# KiCad board sbc.kicad_pcb (continued)
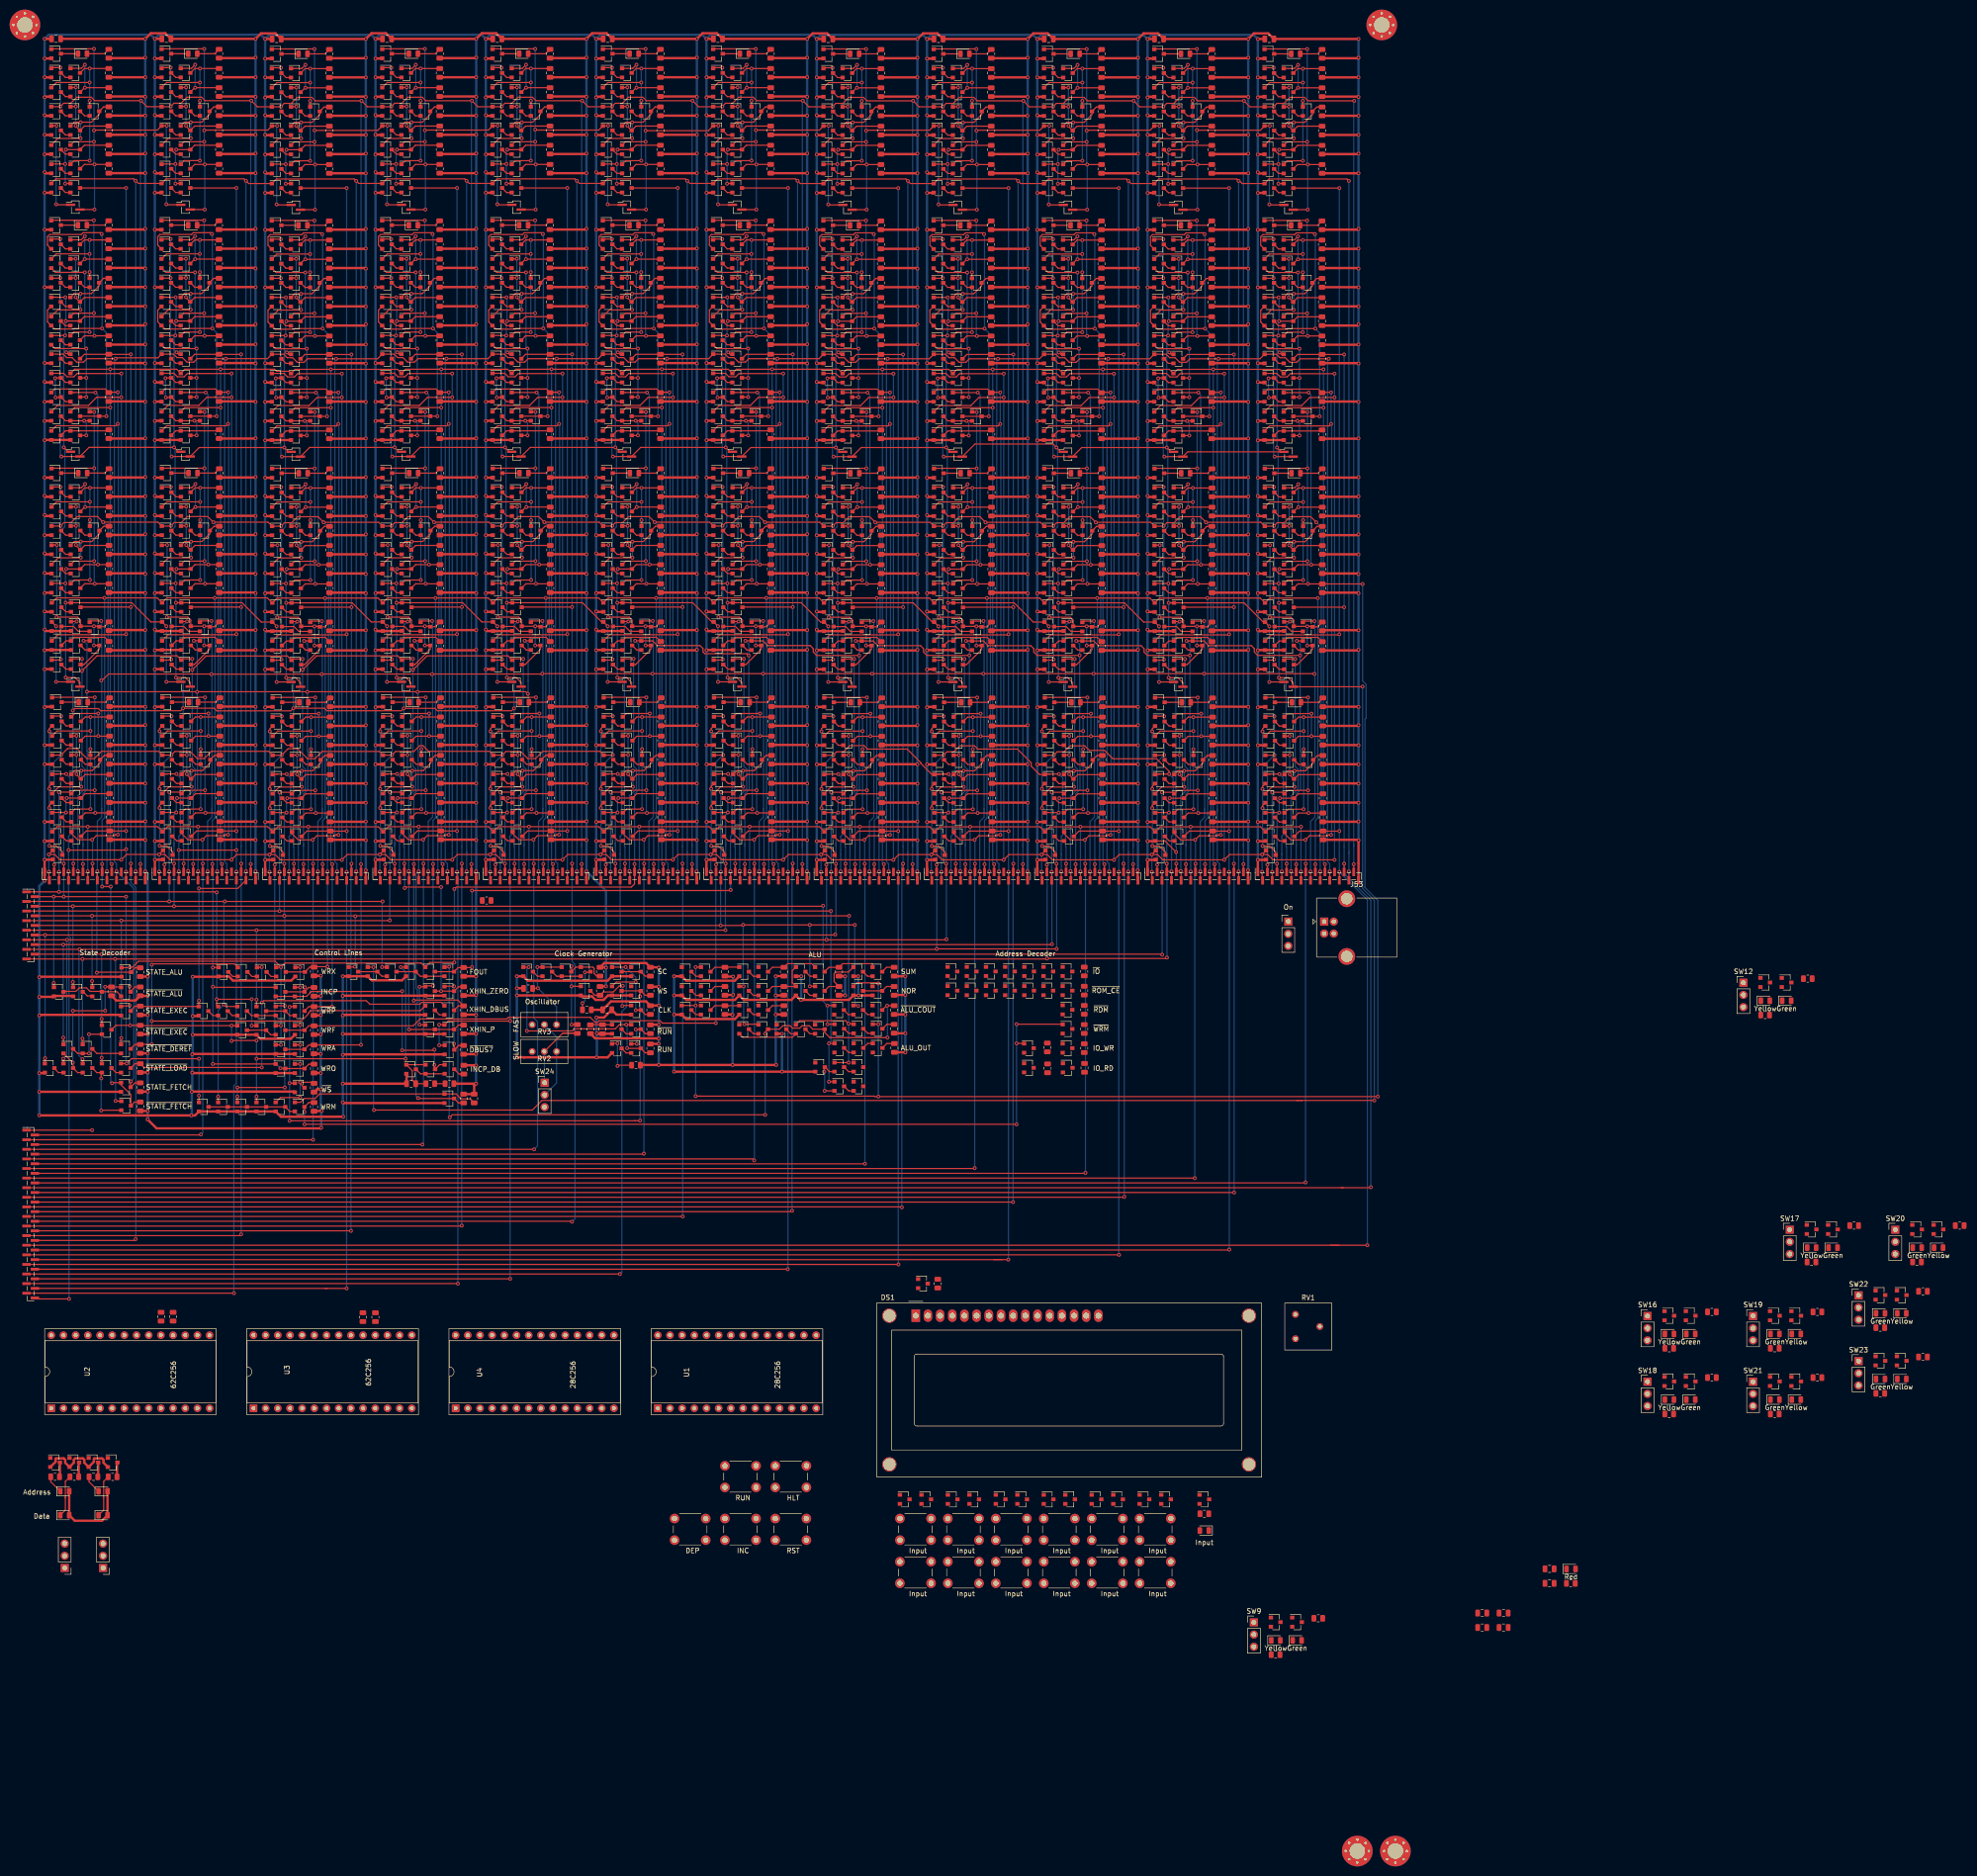
[diagram p0: board, top side]
## Routing (per net, layer and track width the routed paths; a pad name or vN(x,y) marks a point on that pad's centre or on a via; arc(x,y) is an arc through that point) (continued)
VCC: length 5932
  Top w0.5: R40.1 47.99,373.94 v1(48.1,374.05) ; v1(48.1,369.95) 48.09,369.94 R42.1 ; v1(48.1,365.85) 48.01,365.94 R39.1 ; v1(48.1,361.95) 48.09,361.94 R43.1 ; R44.1 48.09,357.94 v1(48.1,357.95) ; R41.1 47.99,353.94 v1(48.1,354.05) ; R38.1 48.09,349.94 v1(48.1,349.95) ; v1(48.1,210.85) 48.01,210.94 R37.1 ; R63.1 48.05,214.7 v1(48.1,214.75) ; v1(48.1,218.65) 48.05,218.7 R66.1 ; v1(48.1,222.65) 48.05,222.7 R69.1 ; v1(48.1,226.65) 48.05,226.7 R68.1 ; v1(48.1,230.65) 48.05,230.7 R64.1 ; v1(48.1,234.85) 47.95,234.7 R67.1 ; v1(48.1,238.65) 48.05,238.7 R65.1 ; 47.99,254.54 v1(48.1,254.65) 40.66,254.65 R45.1 ; v1(48.1,250.55) 47.99,250.44 R46.1 ; v1(48.1,262.35) 47.97,262.48 R47.1 ; v1(48.1,266.35) 47.97,266.48 R50.1 ; R53.1 48.07,270.48 v1(48.1,270.45) ; v1(48.1,274.65) 47.93,274.48 R52.1 ; v1(48.1,278.45) 48.07,278.48 R48.1 ; v1(48.1,282.55) 48.03,282.48 R51.1 ; v1(48.1,286.55) 48.03,286.48 R49.1 ; v1(48.1,294.65) 48.04,294.59 R55.1 ; R54.1 48.01,302.34 v1(48.1,302.25) ; v1(48.1,310.25) 48.01,310.34 R36.1 ; v1(48.1,314.25) 48.03,314.18 R56.1 ; v1(48.1,322.15) 48.07,322.18 R62.1 ; v1(48.1,318.45) 47.83,318.18 R59.1 ; R61.1 48.07,326.18 v1(48.1,326.15) ; v1(48.1,330.05) 47.97,330.18 R57.1 ; v1(48.1,334.25) 48.03,334.18 R60.1 ; R58.1 47.93,338.18 v1(48.1,338.35) ; R195.1 117.01,373.93 v1(117.12,374.05) ; v1(117.12,369.95) 117.11,369.93 R197.1 ; v1(117.12,365.85) 117.04,365.93 R194.1 ; v1(117.12,361.95) 117.11,361.93 R198.1 ; R199.1 117.11,357.93 v1(117.12,357.95) ; R196.1 117.01,353.93 v1(117.12,354.05) ; R193.1 117.11,349.93 v1(117.12,349.95) ; v1(117.12,210.85) 117.04,210.93 R192.1 ; R218.1 117.07,214.69 v1(117.12,214.75) ; v1(117.12,218.65) 117.08,218.69 R221.1 ; v1(117.12,222.65) 117.08,222.69 R224.1 ; v1(117.12,226.65) 117.08,226.69 R223.1 ; v1(117.12,230.65) 117.08,230.69 R219.1 ; v1(117.12,234.85) 116.97,234.69 R222.1 ; v1(117.12,238.65) 117.08,238.69 R220.1 ; 117.01,254.53 v1(117.12,254.65) 109.69,254.65 R200.1 ; v1(117.12,250.55) 117.01,250.43 R201.1 ; v1(117.12,262.35) 117,262.47 R202.1 ; v1(117.12,266.35) 117,266.47 R205.1 ; R208.1 117.1,270.47 v1(117.12,270.45) ; v1(117.12,274.64) 116.95,274.47 R207.1 ; v1(117.12,278.45) 117.1,278.47 R203.1 ; v1(117.12,282.55) 117.05,282.47 R206.1 ; v1(117.12,286.55) 117.05,286.47 R204.1 ; v1(117.12,294.65) 117.06,294.58 R210.1 ; R209.1 117.04,302.33 v1(117.12,302.25) ; v1(117.12,310.25) 117.04,310.33 R191.1 ; v1(117.12,314.25) 117.06,314.18 R211.1 ; v1(117.12,322.15) 117.09,322.18 R217.1 ; v1(117.12,318.45) 116.86,318.18 R214.1 ; R216.1 117.09,326.18 v1(117.12,326.15) ; v1(117.12,330.05) 116.99,330.18 R212.1 ; v1(117.12,334.25) 117.06,334.18 R215.1 ; R213.1 116.96,338.18 v1(117.12,338.35) ; R161.1 94.01,373.93 v1(94.12,374.05) ; v1(94.12,369.95) 94.11,369.93 R163.1 ; v1(94.12,365.85) 94.04,365.93 R160.1 ; v1(94.12,361.95) 94.11,361.93 R164.1 ; R165.1 94.11,357.93 v1(94.12,357.95) ; R162.1 94.01,353.93 v1(94.12,354.05) ; R159.1 94.11,349.93 v1(94.12,349.95) ; v1(94.12,210.85) 94.04,210.93 R158.1 ; R184.1 94.07,214.69 v1(94.12,214.75) ; v1(94.12,218.65) 94.08,218.69 R187.1 ; v1(94.12,222.65) 94.08,222.69 R190.1 ; v1(94.12,226.65) 94.08,226.69 R189.1 ; v1(94.12,230.65) 94.08,230.69 R185.1 ; v1(94.12,234.85) 93.97,234.69 R188.1 ; v1(94.12,238.65) 94.08,238.69 R186.1 ; 94.01,254.53 v1(94.12,254.65) 86.69,254.65 R166.1 ; v1(94.12,250.55) 94.01,250.43 R167.1 ; v1(94.12,262.35) 94,262.47 R168.1 ; v1(94.12,266.35) 94,266.47 R171.1 ; R174.1 94.1,270.47 v1(94.12,270.45) ; v1(94.12,274.64) 93.95,274.47 R173.1 ; v1(94.12,278.45) 94.1,278.47 R169.1 ; v1(94.12,282.55) 94.05,282.47 R172.1 ; v1(94.12,286.55) 94.05,286.47 R170.1 ; v1(94.12,294.65) 94.06,294.58 R176.1 ; R175.1 94.04,302.33 v1(94.12,302.25) ; v1(94.12,310.25) 94.04,310.33 R157.1 ; v1(94.12,314.25) 94.06,314.18 R177.1 ; v1(94.12,322.15) 94.09,322.18 R183.1 ; v1(94.12,318.45) 93.86,318.18 R180.1 ; R182.1 94.09,326.18 v1(94.12,326.15) ; v1(94.12,330.05) 93.99,330.18 R178.1 ; v1(94.12,334.25) 94.06,334.18 R181.1 ; R179.1 93.96,338.18 v1(94.12,338.35) ; R127.1 70.99,373.91 v1(71.1,374.02) ; v1(71.1,369.92) 71.09,369.91 R129.1 ; v1(71.1,365.82) 71.01,365.91 R126.1 ; v1(71.1,361.92) 71.09,361.91 R130.1 ; R131.1 71.09,357.91 v1(71.1,357.92) ; R128.1 70.99,353.91 v1(71.1,354.02) ; R125.1 71.09,349.91 v1(71.1,349.92) ; v1(71.1,210.82) 71.01,210.91 R124.1 ; R150.1 71.05,214.67 v1(71.1,214.72) ; v1(71.1,218.62) 71.05,218.67 R153.1 ; v1(71.1,222.62) 71.05,222.67 R156.1 ; v1(71.1,226.62) 71.05,226.67 R155.1 ; v1(71.1,230.62) 71.05,230.67 R151.1 ; v1(71.1,234.82) 70.95,234.67 R154.1 ; v1(71.1,238.62) 71.05,238.67 R152.1 ; 70.99,254.51 v1(71.1,254.62) 63.66,254.62 R132.1 ; v1(71.1,250.52) 70.99,250.41 R133.1 ; v1(71.1,262.32) 70.97,262.45 R134.1 ; v1(71.1,266.32) 70.97,266.45 R137.1 ; R140.1 71.07,270.45 v1(71.1,270.42) ; v1(71.1,274.62) 70.93,274.45 R139.1 ; v1(71.1,278.42) 71.07,278.45 R135.1 ; v1(71.1,282.52) 71.03,282.45 R138.1 ; v1(71.1,286.52) 71.03,286.45 R136.1 ; v1(71.1,294.62) 71.04,294.56 R142.1 ; R141.1 71.01,302.31 v1(71.1,302.22) ; v1(71.1,310.22) 71.01,310.31 R123.1 ; v1(71.1,314.22) 71.03,314.15 R143.1 ; v1(71.1,322.12) 71.07,322.15 R149.1 ; v1(71.1,318.42) 70.83,318.15 R146.1 ; R148.1 71.07,326.15 v1(71.1,326.12) ; v1(71.1,330.02) 70.97,330.15 R144.1 ; v1(71.1,334.22) 71.03,334.15 R147.1 ; R145.1 70.93,338.15 v1(71.1,338.32) ; v1(278.15,338.32) 277.98,338.15 R451.1 ; v1(278.15,365.82) 278.06,365.91 R432.1 ; R437.1 278.14,357.91 v1(278.15,357.92) ; v1(278.15,354.02) 278.04,353.91 R434.1 ; v1(278.15,226.62) 278.1,226.67 R461.1 ; v1(278.15,234.82) 278,234.67 R460.1 ; v1(278.15,238.62) 278.1,238.67 R458.1 ; 278.04,254.51 v1(278.15,254.62) 270.71,254.62 R438.1 ; v1(278.15,250.52) 278.04,250.41 R439.1 ; R442.1 278.08,286.45 v1(278.15,286.52) ; v1(278.15,302.22) 278.06,302.31 R447.1 ; R449.1 278.08,314.15 v1(278.15,314.22) ; v1(278.15,377.92) C16.1 259.32,379.1 256.33,379.1 v1(255.15,377.92) C15.1 236.32,379.1 233.33,379.1 v1(232.15,377.92) C14.1 213.32,379.1 210.33,379.1 v1(209.15,377.92) C13.1 190.32,379.1 187.33,379.1 v1(186.15,377.92) C12.1 167.32,379.1 164.3,379.1 v1(163.15,377.95) C11.1 144.32,379.12 141.33,379.12 v1(140.15,377.95) C10.1 121.32,379.12 118.3,379.12 v1(117.12,377.95) C9.1 98.3,379.12 95.3,379.12 v1(94.12,377.95) C8.1 75.3,379.12 72.3,379.12 v1(71.1,377.92) C7.1 52.27,379.1 49.25,379.1 v1(48.1,377.95) C2.1 29.27,379.13 26.28,379.13 v1(25.1,377.95) C1.1 ; R435.1 278.14,369.91 v1(278.15,369.92) ; v1(255.15,361.92) 255.14,361.91 R402.1 ; R398.1 255.06,365.91 v1(255.15,365.82) ; R272.1 163.08,286.47 v1(163.15,286.55) ; R271.1 163.12,278.47 v1(163.15,278.45) ; v1(163.15,274.64) 162.98,274.47 R275.1 ; R268.1 155.71,254.65 v1(163.15,254.65) 163.04,254.53 ; R288.1 163.1,238.69 v1(163.15,238.65) ; R260.1 163.06,210.93 v1(163.15,210.85) ; R264.1 163.04,353.93 v1(163.15,354.05) ; R287.1 163.1,230.69 v1(163.15,230.65) ; v1(163.15,369.95) 163.14,369.93 R265.1 ; R284.1 163.12,326.18 v1(163.15,326.15) ; R282.1 162.88,318.18 v1(163.15,318.45) ; v1(163.15,302.25) 163.06,302.33 R277.1 ; v1(140.15,338.35) 139.98,338.18 R247.1 ; v1(140.15,318.45) 139.88,318.18 R248.1 ; R237.1 140.12,278.47 v1(140.15,278.45) ; R236.1 140.02,262.47 v1(140.15,262.35) ; R235.1 140.04,250.43 v1(140.15,250.55) ; R256.1 140,234.69 v1(140.15,234.85) ; R255.1 140.1,218.69 v1(140.15,218.65) ; v1(140.15,365.85) 140.06,365.93 R228.1 ; R353.1 209.12,322.15 v1(209.15,322.12) ; v1(209.15,314.22) 209.08,314.15 R347.1 ; v1(209.15,310.22) 209.06,310.31 R327.1 ; v1(209.15,294.62) 209.09,294.56 R346.1 ; R345.1 209.06,302.31 v1(209.15,302.22) ; R340.1 209.08,286.45 v1(209.15,286.52) ; v1(186.15,338.32) 185.98,338.15 R315.1 ; R317.1 186.08,334.15 v1(186.15,334.22) ; R314.1 186.02,330.15 v1(186.15,330.02) ; R318.1 186.12,326.15 v1(186.15,326.12) ; v1(186.15,314.22) 186.08,314.15 R313.1 ; R312.1 186.09,294.56 v1(186.15,294.62) ; v1(186.15,286.52) 186.08,286.45 R306.1 ; R309.1 185.98,274.45 v1(186.15,274.62) ; v1(186.15,270.42) 186.12,270.45 R310.1 ; R307.1 186.02,266.45 v1(186.15,266.32) ; R308.1 186.08,282.45 v1(186.15,282.52) ; R303.1 186.04,250.41 v1(186.15,250.52) ; 186.04,254.51 v1(186.15,254.62) 178.71,254.62 R302.1 ; R324.1 186,234.67 v1(186.15,234.82) ; R325.1 186.1,226.67 v1(186.15,226.62) ; v1(186.15,218.62) 186.1,218.67 R323.1 ; v1(186.15,349.92) 186.14,349.91 R295.1 ; v1(186.15,354.02) 186.04,353.91 R298.1 ; v1(186.15,365.82) 186.06,365.91 R296.1 ; v1(232.15,334.22) 232.08,334.15 R385.1 ; R382.1 232.02,330.15 v1(232.15,330.02) ; v1(232.15,314.22) 232.08,314.15 R381.1 ; v1(232.15,322.12) 232.12,322.15 R387.1 ; R361.1 232.06,310.31 v1(232.15,310.22) ; R375.1 232.02,266.45 v1(232.15,266.32) ; R371.1 232.04,250.41 v1(232.15,250.52) ; v1(232.15,234.82) 232,234.67 R392.1 ; R366.1 232.04,353.91 v1(232.15,354.02) ; R369.1 232.14,357.91 v1(232.15,357.92) ; R365.1 232.04,373.91 v1(232.15,374.02) ; v1(209.15,270.42) 209.12,270.45 R344.1 ; v1(209.15,234.82) 209,234.67 R358.1 ; v1(209.15,226.62) 209.1,226.67 R359.1 ; R357.1 209.1,218.67 v1(209.15,218.62) ; R334.1 209.14,361.91 v1(209.15,361.92) ; R332.1 209.04,353.91 v1(209.15,354.02) ; R333.1 209.14,369.91 v1(209.15,369.92) ; v1(209.15,250.52) 209.04,250.41 R337.1 ; R417.1 254.98,338.15 v1(255.15,338.32) ; R419.1 255.08,334.15 v1(255.15,334.22) ; R416.1 255.02,330.15 v1(255.15,330.02) ; R420.1 255.12,326.15 v1(255.15,326.12) ; v1(255.15,322.12) 255.12,322.15 R421.1 ; R414.1 255.09,294.56 v1(255.15,294.62) ; R412.1 255.12,270.45 v1(255.15,270.42) ; R409.1 255.02,266.45 v1(255.15,266.32) ; v1(255.15,262.32) 255.02,262.45 R406.1 ; R423.1 255.1,230.67 v1(255.15,230.62) ; v1(255.15,222.62) 255.1,222.67 R428.1 ; R425.1 255.1,218.67 v1(255.15,218.62) ; R383.1 231.98,338.15 v1(232.15,338.32) ; v1(232.15,302.22) 232.06,302.31 R379.1 ; R374.1 232.08,286.45 v1(232.15,286.52) ; v1(232.15,294.62) 232.09,294.56 R380.1 ; v1(232.15,278.42) 232.12,278.45 R373.1 ; R376.1 232.08,282.45 v1(232.15,282.52) ; v1(232.15,262.32) 232.02,262.45 R372.1 ; R390.1 232.1,238.67 v1(232.15,238.62) ; R389.1 232.1,230.67 v1(232.15,230.62) ; R394.1 232.1,222.67 v1(232.15,222.62) ; R388.1 232.1,214.67 v1(232.15,214.72) ; v1(232.15,210.82) 232.06,210.91 R362.1 ; R367.1 232.14,369.91 v1(232.15,369.92) ; R316.1 185.88,318.15 v1(186.15,318.42) ; R319.1 186.12,322.15 v1(186.15,322.12) ; v1(186.15,302.22) 186.06,302.31 R311.1 ; R305.1 186.12,278.45 v1(186.15,278.42) ; R321.1 186.1,230.67 v1(186.15,230.62) ; v1(186.15,222.62) 186.1,222.67 R326.1 ; v1(186.15,214.72) 186.1,214.67 R320.1 ; v1(186.15,357.92) 186.14,357.91 R301.1 ; v1(186.15,361.92) 186.14,361.91 R300.1 ; v1(186.15,374.02) 186.04,373.91 R297.1 ; R349.1 208.98,338.15 v1(209.15,338.32) ; R348.1 209.02,330.15 v1(209.15,330.02) ; v1(209.15,318.42) 208.88,318.15 R350.1 ; R342.1 209.08,282.45 v1(209.15,282.52) ; v1(209.15,274.62) 208.98,274.45 R343.1 ; 209.04,254.51 v1(209.15,254.62) 201.71,254.62 R336.1 ; R355.1 209.1,230.67 v1(209.15,230.62) ; v1(209.15,222.62) 209.1,222.67 R360.1 ; v1(209.15,214.72) 209.1,214.67 R354.1 ; R328.1 209.06,210.91 v1(209.15,210.82) ; R329.1 209.14,349.91 v1(209.15,349.92) ; v1(163.15,338.35) 162.98,338.18 R281.1 ; R280.1 163.02,330.18 v1(163.15,330.05) ; R285.1 163.12,322.18 v1(163.15,322.15) ; R279.1 163.08,314.18 v1(163.15,314.25) ; R259.1 163.06,310.33 v1(163.15,310.25) ; R274.1 163.08,282.47 v1(163.15,282.55) ; R273.1 163.02,266.47 v1(163.15,266.35) ; R270.1 163.02,262.47 v1(163.15,262.35) ; v1(163.15,250.55) 163.04,250.43 R269.1 ; v1(163.15,214.75) 163.1,214.69 R286.1 ; v1(163.15,349.95) 163.14,349.93 R261.1 ; R262.1 163.06,365.93 v1(163.15,365.85) ; R263.1 163.04,373.93 v1(163.15,374.05) ; R249.1 140.08,334.18 v1(140.15,334.25) ; R250.1 140.12,326.18 v1(140.15,326.15) ; R246.1 140.02,330.18 v1(140.15,330.05) ; R251.1 140.12,322.18 v1(140.15,322.15) ; v1(140.15,310.25) 140.06,310.33 R225.1 ; v1(140.15,266.35) 140.02,266.47 R239.1 ; v1(140.15,282.55) 140.08,282.47 R240.1 ; R234.1 132.71,254.65 v1(140.15,254.65) 140.04,254.53 ; v1(140.15,230.65) 140.1,230.69 R253.1 ; v1(140.15,238.65) 140.1,238.69 R254.1 ; v1(140.15,222.65) 140.1,222.69 R258.1 ; v1(140.15,210.85) 140.06,210.93 R226.1 ; v1(140.15,357.95) 140.14,357.93 R233.1 ; R232.1 140.14,361.93 v1(140.15,361.95) ; R229.1 140.04,373.93 v1(140.15,374.05) ; R418.1 254.88,318.15 v1(255.15,318.42) ; R415.1 255.08,314.15 v1(255.15,314.22) ; R410.1 255.08,282.45 v1(255.15,282.52) ; R407.1 255.12,278.45 v1(255.15,278.42) ; R411.1 254.98,274.45 v1(255.15,274.62) ; R405.1 255.04,250.41 v1(255.15,250.52) ; 255.04,254.51 v1(255.15,254.62) 247.71,254.62 R404.1 ; R424.1 255.1,238.67 v1(255.15,238.62) ; R426.1 255,234.67 v1(255.15,234.82) ; v1(255.15,226.62) 255.1,226.67 R427.1 ; R422.1 255.1,214.67 v1(255.15,214.72) ; R403.1 255.14,357.91 v1(255.15,357.92) ; v1(278.15,330.02) 278.02,330.15 R450.1 ; R453.1 278.08,334.15 v1(278.15,334.22) ; v1(278.15,318.42) 277.88,318.15 R452.1 ; v1(278.15,310.22) 278.06,310.31 R429.1 ; v1(278.15,322.12) 278.12,322.15 R455.1 ; R448.1 278.09,294.56 v1(278.15,294.62) ; R443.1 278.02,266.45 v1(278.15,266.32) ; R445.1 277.98,274.45 v1(278.15,274.62) ; R457.1 278.1,230.67 v1(278.15,230.62) ; R430.1 278.06,210.91 v1(278.15,210.82) J45.22 ; v1(278.15,349.92) 278.14,349.91 R431.1 ; v1(278.15,361.92) 278.14,361.91 R436.1 ; R257.1 140.1,226.69 v1(140.15,226.65) ; v1(140.15,294.65) 140.09,294.58 R244.1 ; v1(140.15,286.55) 140.08,286.47 R238.1 ; R227.1 140.14,349.93 v1(140.15,349.95) ; R252.1 140.1,214.69 v1(140.15,214.75) ; R231.1 140.14,369.93 v1(140.15,369.95) ; R243.1 140.06,302.33 v1(140.15,302.25) ; R397.1 255.14,349.91 v1(255.15,349.92) ; v1(255.15,369.92) 255.14,369.91 R401.1 ; v1(255.15,374.02) 255.04,373.91 R399.1 ; v1(232.15,326.12) 232.12,326.15 R386.1 ; R444.1 278.08,282.45 v1(278.15,282.52) ; v1(278.15,326.12) 278.12,326.15 R454.1 ; v1(278.15,262.32) 278.02,262.45 R440.1 ; R446.1 278.12,270.45 v1(278.15,270.42) ; v1(278.15,214.72) 278.1,214.67 R456.1 ; R462.1 278.1,222.67 v1(278.15,222.62) ; R433.1 278.04,373.91 v1(278.15,374.02) ; R441.1 278.12,278.45 v1(278.15,278.42) ; R283.1 163.08,334.18 v1(163.15,334.25) ; v1(163.15,270.45) 163.12,270.47 R276.1 ; R291.1 163.1,226.69 v1(163.15,226.65) ; R292.1 163.1,222.69 v1(163.15,222.65) ; v1(163.15,357.95) 163.14,357.93 R267.1 ; R266.1 163.14,361.93 v1(163.15,361.95) ; R293.1 186.06,310.31 v1(186.15,310.22) ; v1(186.15,262.32) 186.02,262.45 R304.1 ; R322.1 186.1,238.67 v1(186.15,238.62) ; R294.1 186.06,210.91 v1(186.15,210.82) ; v1(186.15,369.92) 186.14,369.91 R299.1 ; v1(209.15,278.42) 209.12,278.45 R339.1 ; v1(209.15,266.32) 209.02,266.45 R341.1 ; v1(209.15,334.22) 209.08,334.15 R351.1 ; v1(209.15,357.92) 209.14,357.91 R335.1 ; R352.1 209.12,326.15 v1(209.15,326.12) ; R331.1 209.04,373.91 v1(209.15,374.02) ; R384.1 231.88,318.15 v1(232.15,318.42) ; v1(232.15,218.62) 232.1,218.67 R391.1 ; R393.1 232.1,226.67 v1(232.15,226.62) ; v1(232.15,349.92) 232.14,349.91 R363.1 ; R370.1 224.71,254.62 v1(232.15,254.62) 232.04,254.51 ; R368.1 232.14,361.91 v1(232.15,361.92) ; R378.1 232.12,270.45 v1(232.15,270.42) ; R459.1 278.1,218.67 v1(278.15,218.62) ; v1(255.15,354.02) 255.04,353.91 R400.1 ; v1(255.15,286.52) 255.08,286.45 R408.1 ; R395.1 255.06,310.31 v1(255.15,310.22) ; R413.1 255.06,302.31 v1(255.15,302.22) ; v1(255.15,210.82) 255.06,210.91 R396.1 ; v1(209.15,238.62) 209.1,238.67 R356.1 ; R338.1 209.02,262.45 v1(209.15,262.32) ; R330.1 209.06,365.91 v1(209.15,365.82) ; v1(163.15,234.85) 163,234.69 R290.1 ; v1(163.15,294.65) 163.09,294.58 R278.1 ; R289.1 163.1,218.69 v1(163.15,218.65) ; v1(140.15,354.05) 140.04,353.93 R230.1 ; R364.1 232.06,365.91 v1(232.15,365.82) ; v1(232.15,274.62) 231.98,274.45 R377.1 ; v1(140.15,314.25) 140.08,314.18 R245.1 ; R241.1 139.98,274.47 v1(140.15,274.64) ; v1(140.15,270.45) 140.12,270.47 R242.1 ; R7.1 24.99,353.94 v1(25.1,354.05) ; v1(232.1,204.55) 232.1,202.5 J37.22 ; R116.1 158.26,178.45 v1(156.6,178.45) ; v1(48.1,204.35) J4.22 ; R23.1 25.03,314.18 v1(25.1,314.25) ; R5.1 25.09,349.94 v1(25.1,349.95) ; v1(61.7,166.25) 61.66,166.29 R83.1 ; v1(117.1,204.35) 117.1,202.5 J17.22 ; v1(183.62,166.55) 183.59,166.59 R119.1 ; v1(132.2,180.25) 130.51,180.25 R98.1 ; v1(25.1,218.65) 25.05,218.7 R32.1 ; v1(255.1,204.55) 255.1,202.5 J41.22 ; R18.1 24.93,274.48 v1(25.1,274.65) ; v1(25.1,210.85) 25.01,210.94 R3.1 ; v1(25.1,234.85) 24.95,234.7 R33.1 ; v1(25.1,369.95) 25.09,369.94 R8.1 ; v1(25.1,270.45) 25.07,270.48 R19.1 ; v1(25.1,361.95) 25.09,361.94 R9.1 ; v1(61.7,162.25) 61.66,162.29 R79.1 ; v1(186.1,204.35) 186.1,202.5 J29.22 ; R102.1 118.94,169.5 132.15,169.5 v1(132.2,169.45) ; R90.1 91.51,182.45 v1(94.1,182.45) ; 24.99,254.54 v1(25.1,254.65) 17.66,254.65 R12.1 ; R118.1 183.59,174.49 v1(183.62,174.45) ; v1(25.1,374.05) 24.99,373.94 R4.1 ; v1(25.1,326.15) 25.07,326.18 R27.1 ; v1(25.6,178.35) 24.09,178.35 R74.1 ; R84.1 61.64,178.29 v1(61.7,178.35) ; v1(25.1,310.25) 25.01,310.34 R2.1 ; v1(183.62,178.55) 181.36,178.55 R122.1 ; v1(156.6,174.45) 156.64,174.49 R108.1 ; R24.1 24.97,330.18 v1(25.1,330.05) ; R113.1 146.11,182.37 v1(147.7,182.37) ; R100.1 130.49,172.35 v1(132.2,172.35) ; J33.22 209.1,202.5 v1(209.1,204.35) ; R26.1 25.03,334.18 v1(25.1,334.25) ; v1(61.9,154.35) 60.36,154.35 R91.1 ; v1(25.6,162.35) 25.56,162.39 R71.1 ; R11.1 25.03,286.48 v1(25.1,286.55) ; R110.1 156.64,182.49 v1(156.6,182.45) ; v1(156.7,163.95) v1(147.6,163.95) v1(132.2,163.95) 128.41,163.95 R104.1 ; R70.1 24.09,154.35 v1(25.6,154.35) ; v1(25.6,182.35) 25.56,182.39 R75.1 ; v1(61.7,170.35) 61.64,170.29 R87.1 ; R96.1 119.99,180.35 v1(121.2,180.35) ; R74.1 23.16,177.5 ; R74.1 23.06,177.4 19.04,177.4 R76.1 ; R115.1 146.06,178.55 v1(147.7,178.55) ; v1(94.1,204.35) 94.1,202.5 J13.22 ; R31.1 25.05,230.7 v1(25.1,230.65) ; v1(94.1,174.35) 94.01,174.44 R81.1 ; v1(132.2,176.35) 130.49,176.35 R97.1 129.56,177.2 122.25,177.2 C3.2 R99.1 ; R35.1 25.05,222.7 v1(25.1,222.65) ; v1(25.6,170.35) 24.09,170.35 R73.1 ; v1(25.1,226.65) 25.05,226.7 R34.1 ; v1(25.1,365.85) 25.01,365.94 R6.1 ; v1(25.1,302.25) 25.01,302.34 R21.1 ; R16.1 24.97,266.48 v1(25.1,266.35) ; R88.1 61.69,182.54 v1(61.7,182.55) ; R109.1 147.49,174.49 v1(147.6,174.37) ; v1(183.62,170.55) 181.34,170.55 R121.1 ; v1(25.1,338.35) 24.93,338.18 R20.1 ; R101.1 130.49,168.35 v1(132.2,168.35) ; R120.1 171.04,178.49 v1(171.07,178.45) ; R89.1 61.64,174.29 v1(61.7,174.35) ; J25.22 163.1,202.52 v1(163.1,204.35) ; v1(25.6,166.35) 25.56,166.39 R72.1 ; v1(71.1,204.55) J9.22 ; v1(25.1,238.65) 25.05,238.7 R29.1 ; v1(25.6,158.35) 25.56,158.39 R77.1 ; v1(94.1,166.25) 94.04,166.19 R85.1 ; R30.1 25.05,214.7 v1(25.1,214.75) ; v1(94.1,163.85) 94.07,163.88 R107.1 ; R22.1 25.04,294.59 v1(25.1,294.65) ; R103.1 v1(94.1,160.05) 93.7,159.65 R477.1 R478.1 ; R80.1 93.99,178.44 v1(94.1,178.55) ; R10.1 25.09,357.94 v1(25.1,357.95) ; R25.1 24.83,318.18 v1(25.1,318.45) ; v1(25.1,278.45) 25.07,278.48 R15.1 ; R78.1 24.09,174.35 v1(25.6,174.35) ; R117.1 181.34,182.45 v1(183.62,182.45) ; R13.1 24.99,250.44 v1(25.1,250.55) ; v1(61.8,150.85) 61.67,150.72 27.45,150.72 v1(25.6,152.57) ; R14.1 24.97,262.48 v1(25.1,262.35) ; R114.1 169.84,182.45 v1(171.07,182.45) ; R82.1 94.09,170.44 v1(94.1,170.45) ; v1(132.2,184.25) 132.14,184.31 R92.1 129.56,185.2 120.84,185.2 R95.1 121.14,184.31 v1(121.2,184.25) ; v1(61.7,158.85) 60.86,158.85 R86.1 ; v1(25.1,282.55) 25.03,282.48 R17.1 ; J21.22 140.1,202.52 v1(140.1,204.35) ; v1(25.1,322.15) 25.07,322.18 R28.1 ; D51.2 D52.2 16.08,68.89 10.39,68.89 D50.2 D49.2 ; v1(25.1,204.35) J1.22
  Bottom w0.5: v1(48.1,377.95) v1(48.1,374.05) v1(48.1,369.95) v1(48.1,365.85) v1(48.1,361.95) v1(48.1,357.95) v1(48.1,354.05) v1(48.1,349.95) v1(48.1,338.35) v1(48.1,334.25) v1(48.1,330.05) v1(48.1,326.15) v1(48.1,322.15) v1(48.1,318.45) v1(48.1,314.25) v1(48.1,310.25) v1(48.1,302.25) v1(48.1,294.65) v1(48.1,286.55) v1(48.1,282.55) v1(48.1,278.45) v1(48.1,274.65) v1(48.1,270.45) v1(48.1,266.35) v1(48.1,262.35) v1(48.1,254.65) v1(48.1,250.55) v1(48.1,238.65) v1(48.1,234.85) v1(48.1,230.65) v1(48.1,226.65) v1(48.1,222.65) v1(48.1,218.65) v1(48.1,214.75) v1(48.1,210.85) v1(48.1,204.35) ; v1(117.12,377.95) v1(117.12,374.05) v1(117.12,369.95) v1(117.12,365.85) v1(117.12,361.95) v1(117.12,357.95) v1(117.12,354.05) v1(117.12,349.95) v1(117.12,338.35) v1(117.12,334.25) v1(117.12,330.05) v1(117.12,326.15) v1(117.12,322.15) v1(117.12,318.45) v1(117.12,314.25) v1(117.12,310.25) v1(117.12,302.25) v1(117.12,294.65) v1(117.12,286.55) v1(117.12,282.55) v1(117.12,278.45) v1(117.12,274.64) v1(117.12,270.45) v1(117.12,266.35) v1(117.12,262.35) v1(117.12,254.65) v1(117.12,250.55) v1(117.12,238.65) v1(117.12,234.85) v1(117.12,230.65) v1(117.12,226.65) v1(117.12,222.65) v1(117.12,218.65) v1(117.12,214.75) v1(117.12,210.85) 117.12,204.38 v1(117.1,204.35) 121.2,200.25 v1(121.2,184.25) v1(121.2,180.35) ; v1(94.12,377.95) v1(94.12,374.05) v1(94.12,369.95) v1(94.12,365.85) v1(94.12,361.95) v1(94.12,357.95) v1(94.12,354.05) v1(94.12,349.95) v1(94.12,338.35) v1(94.12,334.25) v1(94.12,330.05) v1(94.12,326.15) v1(94.12,322.15) v1(94.12,318.45) v1(94.12,314.25) v1(94.12,310.25) v1(94.12,302.25) v1(94.12,294.65) v1(94.12,286.55) v1(94.12,282.55) v1(94.12,278.45) v1(94.12,274.64) v1(94.12,270.45) v1(94.12,266.35) v1(94.12,262.35) v1(94.12,254.65) v1(94.12,250.55) v1(94.12,238.65) v1(94.12,234.85) v1(94.12,230.65) v1(94.12,226.65) v1(94.12,222.65) v1(94.12,218.65) v1(94.12,214.75) v1(94.12,210.85) 94.12,204.38 v1(94.1,204.35) v1(94.1,182.45) v1(94.1,178.55) v1(94.1,174.35) v1(94.1,170.45) v1(94.1,166.25) v1(94.1,163.85) v1(94.1,160.05) ; v1(71.1,377.92) v1(71.1,374.02) v1(71.1,369.92) v1(71.1,365.82) v1(71.1,361.92) v1(71.1,357.92) v1(71.1,354.02) v1(71.1,349.92) v1(71.1,338.32) v1(71.1,334.22) v1(71.1,330.02) v1(71.1,326.12) v1(71.1,322.12) v1(71.1,318.42) v1(71.1,314.22) v1(71.1,310.22) v1(71.1,302.22) v1(71.1,294.62) v1(71.1,286.52) v1(71.1,282.52) v1(71.1,278.42) v1(71.1,274.62) v1(71.1,270.42) v1(71.1,266.32) v1(71.1,262.32) v1(71.1,254.62) v1(71.1,250.52) v1(71.1,238.62) v1(71.1,234.82) v1(71.1,230.62) v1(71.1,226.62) v1(71.1,222.62) v1(71.1,218.62) v1(71.1,214.72) v1(71.1,210.82) v1(71.1,204.55) ; v1(278.15,377.92) v1(278.15,374.02) v1(278.15,369.92) v1(278.15,365.82) v1(278.15,361.92) v1(278.15,357.92) v1(278.15,354.02) v1(278.15,349.92) v1(278.15,338.32) v1(278.15,334.22) v1(278.15,330.02) v1(278.15,326.12) v1(278.15,322.12) v1(278.15,318.42) v1(278.15,314.22) v1(278.15,310.22) v1(278.15,302.22) v1(278.15,294.62) v1(278.15,286.52) v1(278.15,282.52) v1(278.15,278.42) v1(278.15,274.62) v1(278.15,270.42) v1(278.15,266.32) v1(278.15,262.32) v1(278.15,254.62) v1(278.15,250.52) v1(278.15,238.62) v1(278.15,234.82) v1(278.15,230.62) v1(278.15,226.62) v1(278.15,222.62) v1(278.15,218.62) v1(278.15,214.72) v1(278.15,210.82) ; v1(163.15,377.95) v1(163.15,374.05) v1(163.15,369.95) v1(163.15,365.85) v1(163.15,361.95) v1(163.15,357.95) v1(163.15,354.05) v1(163.15,349.95) v1(163.15,338.35) v1(163.15,334.25) v1(163.15,330.05) v1(163.15,326.15) v1(163.15,322.15) v1(163.15,318.45) v1(163.15,314.25) v1(163.15,310.25) v1(163.15,302.25) v1(163.15,294.65) v1(163.15,286.55) v1(163.15,282.55) v1(163.15,278.45) v1(163.15,274.64) v1(163.15,270.45) v1(163.15,266.35) v1(163.15,262.35) v1(163.15,254.65) v1(163.15,250.55) v1(163.15,238.65) v1(163.15,234.85) v1(163.15,230.65) v1(163.15,226.65) v1(163.15,222.65) v1(163.15,218.65) v1(163.15,214.75) v1(163.15,210.85) 163.15,204.4 v1(163.1,204.35) ; v1(232.15,377.92) v1(232.15,374.02) v1(232.15,369.92) v1(232.15,365.82) v1(232.15,361.92) v1(232.15,357.92) v1(232.15,354.02) v1(232.15,349.92) v1(232.15,338.32) v1(232.15,334.22) v1(232.15,330.02) v1(232.15,326.12) v1(232.15,322.12) v1(232.15,318.42) v1(232.15,314.22) v1(232.15,310.22) v1(232.15,302.22) v1(232.15,294.62) v1(232.15,286.52) v1(232.15,282.52) v1(232.15,278.42) v1(232.15,274.62) v1(232.15,270.42) v1(232.15,266.32) v1(232.15,262.32) v1(232.15,254.62) v1(232.15,250.52) v1(232.15,238.62) v1(232.15,234.82) v1(232.15,230.62) v1(232.15,226.62) v1(232.15,222.62) v1(232.15,218.62) v1(232.15,214.72) v1(232.15,210.82) 232.15,204.6 v1(232.1,204.55) ; v1(186.15,377.92) v1(186.15,374.02) v1(186.15,369.92) v1(186.15,365.82) v1(186.15,361.92) v1(186.15,357.92) v1(186.15,354.02) v1(186.15,349.92) v1(186.15,338.32) v1(186.15,334.22) v1(186.15,330.02) v1(186.15,326.12) v1(186.15,322.12) v1(186.15,318.42) v1(186.15,314.22) v1(186.15,310.22) v1(186.15,302.22) v1(186.15,294.62) v1(186.15,286.52) v1(186.15,282.52) v1(186.15,278.42) v1(186.15,274.62) v1(186.15,270.42) v1(186.15,266.32) v1(186.15,262.32) v1(186.15,254.62) v1(186.15,250.52) v1(186.15,238.62) v1(186.15,234.82) v1(186.15,230.62) v1(186.15,226.62) v1(186.15,222.62) v1(186.15,218.62) v1(186.15,214.72) v1(186.15,210.82) 186.15,204.4 v1(186.1,204.35) ; v1(140.15,377.95) v1(140.15,374.05) v1(140.15,369.95) v1(140.15,365.85) v1(140.15,361.95) v1(140.15,357.95) v1(140.15,354.05) v1(140.15,349.95) v1(140.15,338.35) v1(140.15,334.25) v1(140.15,330.05) v1(140.15,326.15) v1(140.15,322.15) v1(140.15,318.45) v1(140.15,314.25) v1(140.15,310.25) v1(140.15,302.25) v1(140.15,294.65) v1(140.15,286.55) v1(140.15,282.55) v1(140.15,278.45) v1(140.15,274.64) v1(140.15,270.45) v1(140.15,266.35) v1(140.15,262.35) v1(140.15,254.65) v1(140.15,250.55) v1(140.15,238.65) v1(140.15,234.85) v1(140.15,230.65) v1(140.15,226.65) v1(140.15,222.65) v1(140.15,218.65) v1(140.15,214.75) v1(140.15,210.85) 140.15,204.4 v1(140.1,204.35) ; v1(255.15,377.92) v1(255.15,374.02) v1(255.15,369.92) v1(255.15,365.82) v1(255.15,361.92) v1(255.15,357.92) v1(255.15,354.02) v1(255.15,349.92) v1(255.15,338.32) v1(255.15,334.22) v1(255.15,330.02) v1(255.15,326.12) v1(255.15,322.12) v1(255.15,318.42) v1(255.15,314.22) v1(255.15,310.22) v1(255.15,302.22) v1(255.15,294.62) v1(255.15,286.52) v1(255.15,282.52) v1(255.15,278.42) v1(255.15,274.62) v1(255.15,270.42) v1(255.15,266.32) v1(255.15,262.32) v1(255.15,254.62) v1(255.15,250.52) v1(255.15,238.62) v1(255.15,234.82) v1(255.15,230.62) v1(255.15,226.62) v1(255.15,222.62) v1(255.15,218.62) v1(255.15,214.72) v1(255.15,210.82) 255.15,204.6 v1(255.1,204.55) ; v1(209.15,377.92) v1(209.15,374.02) v1(209.15,369.92) v1(209.15,365.82) v1(209.15,361.92) v1(209.15,357.92) v1(209.15,354.02) v1(209.15,349.92) v1(209.15,338.32) v1(209.15,334.22) v1(209.15,330.02) v1(209.15,326.12) v1(209.15,322.12) v1(209.15,318.42) v1(209.15,314.22) v1(209.15,310.22) v1(209.15,302.22) v1(209.15,294.62) v1(209.15,286.52) v1(209.15,282.52) v1(209.15,278.42) v1(209.15,274.62) v1(209.15,270.42) v1(209.15,266.32) v1(209.15,262.32) v1(209.15,254.62) v1(209.15,250.52) v1(209.15,238.62) v1(209.15,234.82) v1(209.15,230.62) v1(209.15,226.62) v1(209.15,222.62) v1(209.15,218.62) v1(209.15,214.72) v1(209.15,210.82) 209.15,204.4 v1(209.1,204.35) ; v1(156.6,182.45) v1(156.6,178.45) v1(156.6,174.45) 156.6,164.05 v1(156.7,163.95) ; v1(147.6,163.95) v1(147.6,174.37) 147.6,178.45 v1(147.7,178.55) v1(147.7,182.37) ; v1(61.8,150.85) 61.8,154.25 v1(61.9,154.35) 61.7,154.55 v1(61.7,158.85) v1(61.7,162.25) v1(61.7,166.25) v1(61.7,170.35) v1(61.7,174.35) v1(61.7,178.35) v1(61.7,182.55) ; v1(183.62,166.55) v1(183.62,170.55) v1(183.62,174.45) v1(183.62,178.55) v1(183.62,182.45) ; v1(132.2,163.95) v1(132.2,168.35) v1(132.2,169.45) v1(132.2,172.35) v1(132.2,176.35) v1(132.2,180.25) v1(132.2,184.25) ; v1(171.07,178.45) v1(171.07,182.45) ; v1(25.6,152.57) v1(25.6,154.35) v1(25.6,158.35) v1(25.6,162.35) v1(25.6,166.35) v1(25.6,170.35) v1(25.6,174.35) v1(25.6,178.35) v1(25.6,182.35) 25.6,203.85 v1(25.1,204.35) v1(25.1,210.85) v1(25.1,214.75) v1(25.1,218.65) v1(25.1,222.65) v1(25.1,226.65) v1(25.1,230.65) v1(25.1,234.85) v1(25.1,238.65) v1(25.1,250.55) v1(25.1,254.65) v1(25.1,262.35) v1(25.1,266.35) v1(25.1,270.45) v1(25.1,274.65) v1(25.1,278.45) v1(25.1,282.55) v1(25.1,286.55) v1(25.1,294.65) v1(25.1,302.25) v1(25.1,310.25) v1(25.1,314.25) v1(25.1,318.45) v1(25.1,322.15) v1(25.1,326.15) v1(25.1,330.05) v1(25.1,334.25) v1(25.1,338.35) v1(25.1,349.95) v1(25.1,354.05) v1(25.1,357.95) v1(25.1,361.95) v1(25.1,365.85) v1(25.1,369.95) v1(25.1,374.05) v1(25.1,377.95)